# Altium PCB roach2.PcbDoc (part 3 of 39)
Units mil, origin at the board's own origin, x right, y up, seen from the top; angles counter-clockwise.
Board outline 12007.87 x 9606.3 mil, 16 copper layers (L1_TOP, L2_G, L3_S, L4_G, L5_S, L6_P, L7_G, L8_R, L9_R, L10_P, L11_P, L12_S, L13_P, L14_S, L15_G, L16_BOT), stack 81.651 mil thick; 1568 components, 1918 nets, 9251 pads, 6741 vias.
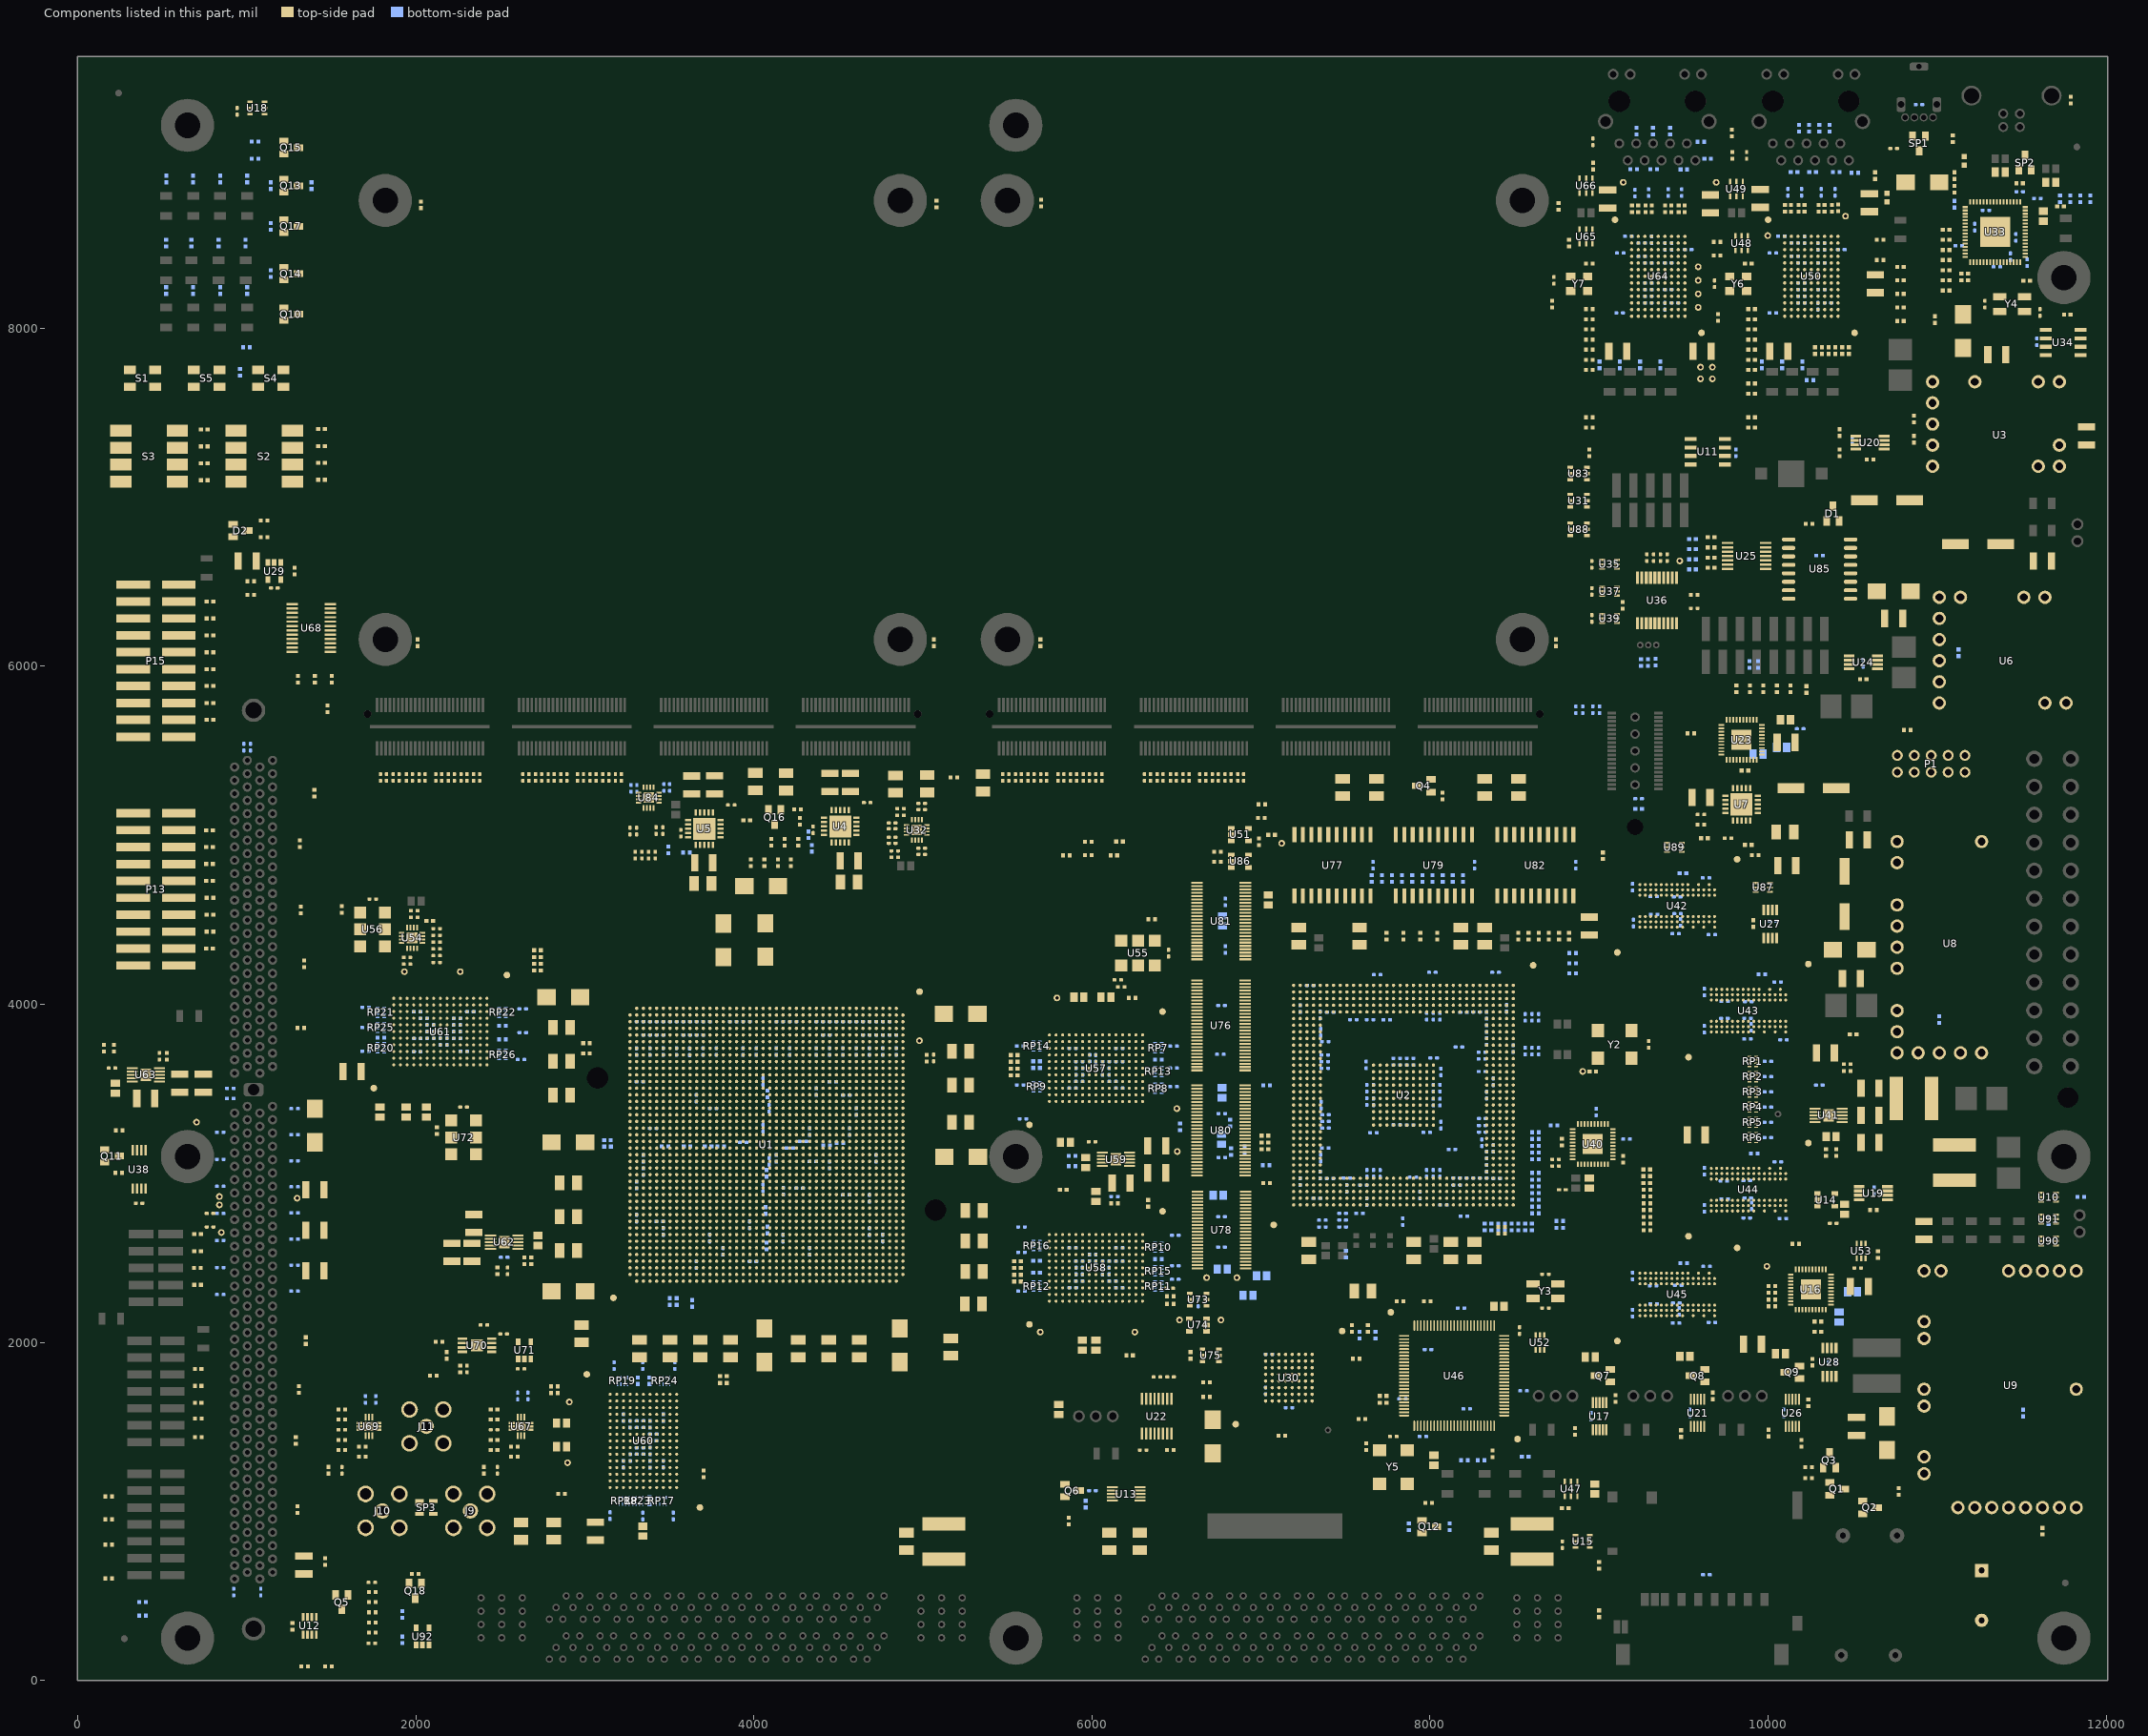
[diagram p17: the components of this part, seen from the top]

## Components (designator, comment, footprint, x,y, rotation, side; value= is the part's Value field where it differs from the comment) (continued)
R213 "49R9" RESC1005X40L 10377.99,8709.99 r270 top
R214 "49R9" RESC1005X40L 10413.99,8711.99 r270 top
R215 "3R3" RESC1005X40L 10397.99,7867.99 r90 top
R216 "3R3" RESC1005X40L 10277.99,7867.99 r90 top
R217 "3R3" RESC1005X40L 10357.99,7867.99 r90 top
R218 "3R3" RESC1005X40L 10317.99,7867.99 r90 top
R219 "49R9" RESC1005X40L 10632.99,8902.99 r90 top
R220 "3R3" RESC1005X40L 10437.99,7867.99 r90 top
R221 "3R3" RESC1005X40L 10477.99,7867.99 r90 top
R222 "3R3" RESC1005X40L 10662.99,8402.99 r180 top
R223 "0R" RESC1005X40L 8942.99,8382.99 r0 top
R224 "200R" RESC1005X40L 682.99,8882.99 r270 bottom
R225 "3K3" RESC1005X40L 1142.99,8602.99 r90 bottom
R226 "0R" RESC1005X40L 10986.19,8051 r270 top
R227 "49R9" RESC1005X40L 9787.99,9022.99 r90 top
R228 "100R" RESC1005X40L 2082.99,4492.99 r0 top
R229 "0R" RESC1005X40L 9902.99,7412.99 r0 top
R230 "3K3" RESC1005X40L 6742.99,4902.99 r180 top
R231 "0R" RESC1005X40L 9902.99,7472.99 r180 top
R232 "0R" RESC1005X40L 9902.99,8112.99 r180 top
R233 "0R" RESC1005X40L 9902.99,8052.99 r180 top
R234 "0R" RESC1005X40L 9902.99,7992.99 r180 top
R235 "10K" RESC1005X40L 9902.99,7672.99 r180 top
R236 "0R" RESC1005X40L 9902.99,7932.99 r180 top
R237 "49R9" RESC1005X40L 9962.99,7782.99 r270 bottom
R238 "1K" RESC1005X40L 8842.99,4182.99 r180 bottom
R239 "0R" RESC1005X40L 9902.99,7872.99 r180 top
R240 "10K" RESC1005X40L 9902.99,7612.99 r180 top
R241 "0R" RESC1005X40L 9902.99,7812.99 r180 top
R242 "0R" RESC1005X40L 9902.99,7752.99 r180 top
R243 "0R" RESC1005X40L 11770,8080 r180 top
R244 "49R9" RESC1005X40L 10082.99,7782.99 r270 bottom
R245 "4K99" RESC1005X40L 10662.99,8522.99 r180 top
R246 "0R" RESC1005X40L 9697.99,8430.99 r0 top
R247 "49R9" RESC1005X40L 10202.99,7782.99 r270 bottom
R248 "49R9" RESC1005X40L 10247.99,7692.99 r0 bottom
R250 "1K" RESC1005X40L 8842.99,4242.99 r180 bottom
R251 "1K" RESC1005X40L 8842.99,4302.99 r180 bottom
R252 "3K3" RESC1005X40L 10650,2520 r270 top
R253 "3K3" RESC1005X40L 4141.99,4837.99 r90 top
R254 "3K3" RESC1005X40L 3981.99,4837.99 r90 top
R255 "0R" RESC1005X40L 4218.99,4837.99 r90 top
R256 "3K3" RESC1005X40L 4061.99,4837.99 r270 top
R257 "3K3" RESC1005X40L 7062.99,5002.99 r0 top
R258 "3K3" RESC1005X40L 7002.99,5102.99 r0 top
R259 "3K3" RESC1005X40L 4182.99,4958.99 r90 top
R260 "3K3" RESC1005X40L 6520.99,3274.99 r90 bottom
R261 "3K3" RESC1005X40L 4262.99,4958.99 r90 top
R262 "0R" RESC1005X40L 7004.99,5182.99 r180 top
R263 "3K3" RESC1005X40L 4102.99,4958.99 r270 top
R264 "49R9" RESC1005X40L 3542.99,2241.99 r270 bottom
R265 "49R9" RESC1005X40L 3502.99,2241.99 r90 bottom
R266 "49R9" RESC1005X40L 3134.99,3157.99 r180 bottom
R267 "49R9" RESC1005X40L 3133.99,3195.99 r0 bottom
R268 "100R" RESC1005X40L 5022.09,3681.46 r90 top
R269 "3K3" RESC1005X40L 6742.99,4842.99 r180 top
R270 "0R" RESC1005X40L 11530,8280 r180 top
R271 "0R" RESC1005X40L 6352.99,4502.99 r0 top
R272 "49R9" RESC1005X40L 5672.99,3662.99 r180 bottom
R273 "0R" RESC1005X40L 1562.99,4561.99 r270 top
R274 "49R9" RESC1005X40L 6392.99,2492.99 r0 bottom
R275 "49R9" RESC1005X40L 5672.99,3622.99 r180 bottom
R276 "49R9" RESC1005X40L 5672.99,2482.99 r180 bottom
R277 "49R9" RESC1005X40L 5672.99,2412.99 r180 bottom
R278 "49R9" RESC1005X40L 3382.99,1062.99 r270 bottom
R279 "49R9" RESC1005X40L 1792.99,3802.99 r180 bottom
R280 "49R9" RESC1005X40L 3382.99,1772.99 r90 bottom
R281 "49R9" RESC1005X40L 2512.99,3792.99 r0 bottom
R282 "49R9" RESC1005X40L 3312.99,1772.99 r90 bottom
R283 "49R9" RESC1005X40L 2512.99,3872.99 r0 bottom
R284 "0R" RESC1005X40L 8722.99,8142.99 r270 top
R285 "3R3" RESC1005X40L 8767.99,2717.99 r0 bottom
R286 "3R3" RESC1005X40L 8767.99,2677.99 r0 bottom
R287 "3R3" RESC1005X40L 8732.99,3282.99 r0 bottom
R288 "3K3" RESC1005X40L 1049.49,9003.49 r180 bottom
R289 "3K3" RESC1005X40L 1049.49,9104.99 r180 bottom
R290 "0R" RESC1005X40L 2010,6138.74 r90 top
R291 "0R" RESC1005X40L 5065,6138.74 r90 top
R292 "0R" RESC1005X40L 5080,8735 r90 top
R293 "0R" RESC1005X40L 2030,8730 r90 top
R294 "0R" RESC1005X40L 5695,6138.74 r90 top
R295 "0R" RESC1005X40L 8745,6138.74 r90 top
R296 "0R" RESC1005X40L 5700,8740 r90 top
R297 "0R" RESC1005X40L 8760,8720 r90 top
R298 "3K3" RESC1005X40L 9000,395 r90 top
R299 "3K3" RESC1005X40L 9000,680 r270 top
R300 "0R" RESC1005X40L 1314,4950 r90 top
R301 "0R" RESC1005X40L 5540,3700 r180 top
R302 "0R" RESC1005X40L 5540,3660 r180 top
R303 "0R" RESC1005X40L 5540,3580 r180 top
R304 "0R" RESC1005X40L 5540,3620 r180 top
R305 "0R" RESC1005X40L 5560,2480 r180 top
R306 "0R" RESC1005X40L 5560,2440 r180 top
R307 "0R" RESC1005X40L 5560,2360 r180 top
R308 "0R" RESC1005X40L 5560,2400 r180 top
R309 "0R" RESC1005X40L 3820,1760 r0 top
R310 "0R" RESC1005X40L 3820,1800 r0 top
R311 "0R" RESC1005X40L 2820,1740 r180 top
R312 "0R" RESC1005X40L 2820,1700 r180 top
R313 "0R" RESC1005X40L 2720,4200 r0 top
R314 "0R" RESC1005X40L 2720,4240 r0 top
R315 "0R" RESC1005X40L 2720,4280 r0 top
R316 "0R" RESC1005X40L 2720,4320 r0 top
R317 "49R9" RESC1005X40L 3605,3160 r0 bottom
R318 "49R9" RESC1005X40L 3475,3160 r180 bottom
R319 "49R9" RESC1005X40L 4075,2570 r270 bottom
R320 "249R" RESC1005X40L 6237.99,4037.99 r0 top
R321 "249R" RESC1005X40L 6132.99,2822.99 r180 top
R322 "100R" RESC1005X40L 6332.99,2822.99 r270 top
R323 "10K" RESC1005X40L 5882.99,3102.99 r0 bottom
R324 "10K" RESC1005X40L 5882.99,3042.99 r0 bottom
R325 "49R9" RESC1005X40L 3635,2230 r270 bottom
R326 "49R9" RESC1005X40L 4080,2665 r90 bottom
R327 "49R9" RESC1005X40L 4070,2780 r270 bottom
R328 "49R9" RESC1005X40L 3805,3160 r0 bottom
R329 "49R9" RESC1005X40L 3730,3160 r180 bottom
R330 "49R9" RESC1005X40L 4075,3000 r90 bottom
R331 "49R9" RESC1005X40L 4430,3165 r180 bottom
R332 "49R9" RESC1005X40L 4510,3180 r0 bottom
R333 "49R9" RESC1005X40L 4080,3470 r90 bottom
R334 "0R" RESC1005X40L 1320,4558 r270 top
R335 "0R" RESC1005X40L 1340,4240 r90 top
R336 "0R" RESC1005X40L 1308,1722 r90 top
R337 "0R" RESC1005X40L 1290,1420 r90 top
R338 "0R" RESC1005X40L 1300,1010 r90 top
R339 "0R" RESC1005X40L 1350,2010 r270 top
R340 "0R" RESC1005X40L 1400,5250 r270 top
R341 "0R" RESC1005X40L 1320,3860 r0 top
R342 "3K3" RESC1005X40L 9334,6024 r270 bottom
R343 "3K3" RESC1005X40L 246,3254 r0 top
R344 "3K3" RESC1005X40L 9248,6022 r90 bottom
R345 "3K3" RESC1005X40L 9290,6022 r90 bottom
R346 "3K3" RESC1005X40L 960,7740 r90 bottom
R348 "10K" RESC1005X40L 1920,390 r90 bottom
R349 "1K15" RESC1005X40L 1920,240 r270 bottom
R371 "249R" RESC1005X40L 3702.99,1222.99 r270 top
R372 "249R" RESC1005X40L 2124.99,3251.99 r270 top
R373 "100R" RESC1005X40L 2482.99,2422.99 r270 top
R374 "10K" RESC1005X40L 2642.99,2482.99 r90 top
R375 "10K" RESC1005X40L 2682.99,2482.99 r90 top
R376 "3K3" RESC1005X40L 382.99,462.99 r180 bottom
R377 "3K3" RESC1005X40L 382.99,382.99 r180 bottom
R378 "0R" RESC1005X40L 1342.99,82.99 r0 top
R379 "0R" RESC1005X40L 1482.99,82.99 r0 top
R380 "10K" RESC1005X40L 214.8,3741.34 r90 top
R381 "100R" RESC1005X40L 527.99,3692.99 r270 top
R382 "10K" RESC1005X40L 154.8,3741.34 r90 top
R383 "49R9" RESC1005X40L 9194.99,8706.99 r270 top
R384 "49R9" RESC1005X40L 9230.99,8706.99 r270 top
R385 "49R9" RESC1005X40L 9274.99,8706.99 r270 top
R386 "49R9" RESC1005X40L 9310.99,8706.99 r270 top
R387 "49R9" RESC1005X40L 9390.99,8706.99 r270 top
R388 "49R9" RESC1005X40L 9426.99,8706.99 r270 top
R389 "49R9" RESC1005X40L 9470.99,8706.99 r270 top
R390 "49R9" RESC1005X40L 9506.99,8706.99 r270 top
R391 "49R9" RESC1005X40L 9784.99,9154.99 r90 top
R396 "49R9" RESC1005X40L 8964.99,8958.99 r90 top
R400 "0R" RESC1005X40L 8942.99,7412.99 r0 top
R402 "0R" RESC1005X40L 8942.99,7472.99 r180 top
R403 "0R" RESC1005X40L 8942.99,8112.99 r180 top
R404 "0R" RESC1005X40L 8942.99,8052.99 r180 top
R405 "0R" RESC1005X40L 8942.99,7992.99 r180 top
R406 "0R" RESC1005X40L 8942.99,7932.99 r180 top
R407 "49R9" RESC1005X40L 9002.99,7782.99 r270 bottom
R408 "0R" RESC1005X40L 8942.99,7872.99 r180 top
R409 "0R" RESC1005X40L 8942.99,7812.99 r180 top
R410 "0R" RESC1005X40L 8942.99,7752.99 r180 top
R412 "49R9" RESC1005X40L 9122.99,7782.99 r270 bottom
R413 "0R" RESC1005X40L 8822.99,8502.99 r270 top
R414 "4K99" RESC1005X40L 9697.99,8510.99 r180 top
R415 "49R9" RESC1005X40L 9242.99,7782.99 r270 bottom
R416 "49R9" RESC1005X40L 9362.99,7782.99 r270 bottom
R419 "10K" RESC1005X40L 2582.99,1382.99 r180 top
R420 "100R" RESC1005X40L 2462.99,1602.99 r0 top
R421 "10K" RESC1005X40L 2462.99,1422.99 r180 top
R422 "200R" RESC1005X40L 682.99,8222.99 r90 bottom
R423 "200R" RESC1005X40L 522.99,8222.99 r90 bottom
R424 "200R" RESC1005X40L 842.99,8222.99 r90 bottom
R425 "200R" RESC1005X40L 1002.99,8222.99 r90 bottom
R426 "0R" RESC1005X40L 2402.99,1242.99 r90 top
R427 "100R" RESC1005X40L 2462.99,1542.99 r180 top
R428 "10K" RESC1005X40L 2462.99,1362.99 r0 top
R429 "63K4" RESC1005X40L 2582.99,1322.99 r0 top
R430 "3K3" RESC1005X40L 1502.99,5922.99 r90 top
R431 "200R" RESC1005X40L 522.99,8502.99 r270 bottom
R432 "200R" RESC1005X40L 672.99,8502.99 r270 bottom
R433 "200R" RESC1005X40L 832.99,8502.99 r270 bottom
R434 "200R" RESC1005X40L 992.99,8502.99 r270 bottom
R435 "3K3" RESC1005X40L 1402.99,5922.99 r90 top
R436 "0R" RESC1005X40L 1302.99,5922.99 r270 top
R437 "249R" RESC1005X40L 8202.99,1302.99 r180 bottom
R438 "10K" RESC1005X40L 1682.99,1382.99 r180 top
R439 "100R" RESC1005X40L 1562.99,1602.99 r0 top
R440 "10K" RESC1005X40L 1562.99,1422.99 r180 top
R441 "0R" RESC1005X40L 1482.99,1242.99 r90 top
R442 "100R" RESC1005X40L 1562.99,1542.99 r180 top
R443 "10K" RESC1005X40L 1562.99,1362.99 r0 top
R444 "249R" RESC1005X40L 8562.99,1322.99 r180 bottom
R445 "63K4" RESC1005X40L 1682.99,1322.99 r0 top
R446 "3K3" RESC1005X40L 8115.43,909.57 r270 bottom
R447 "49R9" RESC1005X40L 2136.99,2003.99 r180 top
R448 "3K3" RESC1005X40L 7875.43,909.57 r90 bottom
R449 "249R" RESC1005X40L 8302.99,1302.99 r0 bottom
R450 "10K" RESC1005X40L 2182.99,1922.99 r90 top
R451 "3K3" RESC1005X40L 1382.99,8842.99 r270 bottom
R452 "10K" RESC1005X40L 2262.99,1842.99 r90 top
R453 "200R" RESC1005X40L 182.99,1087.99 r0 top
R454 "200R" RESC1005X40L 182.99,952.99 r0 top
R455 "200R" RESC1005X40L 182.99,602.99 r180 top
R456 "200R" RESC1005X40L 182.99,802.99 r0 top
R457 "200R" RESC1005X40L 1002.99,8882.99 r270 bottom
R458 "3K3" RESC1005X40L 1142.99,8842.99 r90 bottom
R460 "3K3" RESC1005X40L 1142.99,8322.99 r90 bottom
R462 "0R" RESC1005X40L 10782.99,8362.99 r180 top
R463 "0R" RESC1005X40L 6462.99,2272.99 r180 top
R464 "0R" RESC1005X40L 10782.99,8282.99 r180 top
R465 "0R" RESC1005X40L 10782.99,8122.99 r180 top
R466 "0R" RESC1005X40L 10782.99,8042.99 r180 top
R467 "0R" RESC1005X40L 10782.99,8202.99 r0 top
R468 "49R9" RESC1005X40L 10226.99,5862.99 r90 top
R470 "0R" RESC1005X40L 6462.99,2227.99 r180 top
R471 "0R" RESC1005X40L 10132.28,5866.46 r90 top
R472 "0R" RESC1005X40L 10052.28,5866.46 r90 top
R473 "0R" RESC1005X40L 9972.28,5866.46 r270 top
R474 "0R" RESC1005X40L 9892.28,5866.46 r90 top
R475 "0R" RESC1005X40L 9812.28,5866.46 r90 top
R476 "3K3" RESC1005X40L 6582.99,1922.99 r90 top
R477 "0R" RESC1005X40L 9022.99,4878.99 r270 top
R478 "0R" RESC1005X40L 5182.99,5342.99 r180 top
R479 "0R" RESC1005X40L 7122.99,1447.99 r0 top
R480 "0R" RESC1005X40L 7822.99,2242.99 r180 top
R481 "0R" RESC1005X40L 5830.95,2903.06 r0 top
R482 "0R" RESC1005X40L 6222.99,1922.99 r180 top
R483 "0R" RESC1005X40L 2862.99,1102.99 r180 top
R484 "0R" RESC1005X40L 1477.99,5747.99 r90 top
R485 "0R" RESC1005X40L 9702.99,8062.99 r270 top
R486 "0R" RESC1005X40L 8942.99,7262.99 r270 top
R487 "0R" RESC1005X40L 6677.99,1762.99 r180 top
R488 "0R" RESC1005X40L 9622.99,4982.99 r0 top
R489 "0R" RESC1005X40L 10162.99,2582.99 r0 top
R490 "0R" RESC1005X40L 6677.99,1677.99 r180 top
R491 "1K" RESC1005X40L 11102.99,8822.99 r90 top
R492 "10K" RESC1005X40L 11102.99,8732.99 r90 bottom
R493 "10K" RESC1005X40L 8072.99,5232.99 r90 top
R494 "10K" RESC1005X40L 4257.99,5152.99 r180 top
R495 "0R" RESC1005X40L 9882.99,8382.99 r0 top
RP1 "49R9" RESCAV50P100X200X45-8L 9908.99,3661.99 r0 top
RP2 "49R9" RESCAV50P100X200X45-8L 9908.99,3571.99 r0 top
RP3 "49R9" RESCAV50P100X200X45-8L 9908.99,3481.99 r0 top
RP4 "49R9" RESCAV50P100X200X45-8L 9908.99,3391.99 r0 top
RP5 "49R9" RESCAV50P100X200X45-8L 9908.99,3301.99 r0 top
RP6 "49R9" RESCAV50P100X200X45-8L 9908.99,3211.99 r0 top
RP7 "49R9" RESCAV50P100X200X45-8L 6392.99,3742.99 r0 bottom
RP8 "49R9" RESCAV50P100X200X45-8L 6392.99,3502.99 r0 bottom
RP9 "49R9" RESCAV50P100X200X45-8L 5672.99,3512.99 r180 bottom
RP10 "49R9" RESCAV50P100X200X45-8L 6392.99,2562.99 r0 bottom
RP11 "49R9" RESCAV50P100X200X45-8L 6392.99,2332.99 r0 bottom
RP12 "49R9" RESCAV50P100X200X45-8L 5672.99,2332.99 r180 bottom
RP13 "49R9" RESCAV50P100X200X45-8L 6392.99,3602.99 r0 bottom
RP14 "49R9" RESCAV50P100X200X45-8L 5672.99,3752.99 r180 bottom
RP15 "49R9" RESCAV50P100X200X45-8L 6392.99,2422.99 r0 bottom
RP16 "49R9" RESCAV50P100X200X45-8L 5672.99,2572.99 r180 bottom
RP17 "49R9" RESCAV50P100X200X45-8L 3452.99,1062.99 r270 bottom
RP18 "49R9" RESCAV50P100X200X45-8L 3232.99,1062.99 r270 bottom
RP19 "49R9" RESCAV50P100X200X45-8L 3222.99,1772.99 r90 bottom
RP20 "49R9" RESCAV50P100X200X45-8L 1792.99,3742.99 r180 bottom
RP21 "49R9" RESCAV50P100X200X45-8L 1792.99,3952.99 r180 bottom
RP22 "49R9" RESCAV50P100X200X45-8L 2512.99,3952.99 r0 bottom
RP23 "49R9" RESCAV50P100X200X45-8L 3312.99,1062.99 r270 bottom
RP24 "49R9" RESCAV50P100X200X45-8L 3472.99,1772.99 r90 bottom
RP25 "49R9" RESCAV50P100X200X45-8L 1792.99,3862.99 r180 bottom
RP26 "49R9" RESCAV50P100X200X45-8L 2512.99,3702.99 r0 bottom
S1 "7914J-1-000-E" 7914J-X-XXX-X 382.99,7702.99 r90 top
S2 "A6S-4101-H" A6S-4101-H 1102.99,7242.99 r90 top
S3 "A6S-4101-H" A6S-4101-H 422.99,7242.99 r90 top
S4 "7914J-1-000-E" 7914J-X-XXX-X 1142.99,7702.99 r90 top
S5 "7914J-1-000-E" 7914J-X-XXX-X 762.99,7702.99 r90 top
SP1 "PGB102ST23WR" SOT95P245X110-3N 10892.99,9092.99 r270 top
SP2 "PGB102ST23WR" SOT95P245X110-3N 11520,8980 r90 top
SP3 "PRTR5V0U2AX" SOT192P237X120-4N 2062.99,1022.99 r0 top
SP4 "PGB1010402" PGB1010402 712.99,1550 r0 top
SP5 "PGB1010402" PGB1010402 712.99,1438.92 r0 top
SP6 "PGB1010402" PGB1010402 712.99,1842.99 r180 top
SP7 "PGB1010402" PGB1010402 712.99,1742.99 r180 top
SP8 "PGB1010402" PGB1010402 712.99,1642.99 r180 top
SP9 "PGB1010402" PGB1010402 10512.99,8919.99 r180 bottom
SP10 "PGB1010402" PGB1010402 10362.99,9182.99 r270 bottom
SP11 "PGB1010402" PGB1010402 10402.99,8922.99 r180 bottom
SP12 "PGB1010402" PGB1010402 10302.99,9182.99 r270 bottom
SP13 "PGB1010402" PGB1010402 10262.99,8922.99 r0 bottom
SP14 "PGB1010402" PGB1010402 10242.99,9182.99 r270 bottom
SP15 "PGB1010402" PGB1010402 10152.99,8922.99 r0 bottom
SP16 "PGB1010402" PGB1010402 10182.99,9182.99 r270 bottom
SP17 "PGB1010402" PGB1010402 9642.99,9002.99 r180 bottom
SP18 "PGB1010402" PGB1010402 9602.99,9102.99 r180 bottom
SP19 "PGB1010402" PGB1010402 9501.99,8938.99 r180 bottom
SP20 "PGB1010402" PGB1010402 9419.99,9165.99 r270 bottom
SP21 "PGB1010402" PGB1010402 9322.99,8940.99 r0 bottom
SP22 "PGB1010402" PGB1010402 9318.99,9165.99 r270 bottom
SP23 "PGB1010402" PGB1010402 9203.99,8939.99 r0 bottom
SP24 "PGB1010402" PGB1010402 9220.99,9165.99 r270 bottom
SP25 "PGB1010402" PGB1010402 780,4730 r180 top
SP26 "PGB1010402" PGB1010402 780,4830 r180 top
SP27 "PGB1010402" PGB1010402 780,4930 r180 top
SP28 "PGB1010402" PGB1010402 780,5030 r180 top
SP29 "PGB1010402" PGB1010402 782.99,5682.99 r180 top
SP30 "PGB1010402" PGB1010402 782.99,5782.99 r180 top
SP31 "PGB1010402" PGB1010402 782.99,5882.99 r180 top
SP32 "PGB1010402" PGB1010402 782.99,5982.99 r180 top
SP33 "PGB1010402" PGB1010402 782.99,6082.99 r180 top
SP34 "PGB1010402" PGB1010402 782.99,6182.99 r180 top
SP35 "PGB1010402" PGB1010402 782.99,6282.99 r180 top
SP36 "PGB1010402" PGB1010402 782.99,6382.99 r180 top
SP37 "PGB1010402" PGB1010402 7992.99,1050.99 r180 top
SP38 "PGB1010402" PGB1010402 709.99,2339.99 r180 top
SP39 "PGB1010402" PGB1010402 708.99,2439.99 r180 top
SP40 "PGB1010402" PGB1010402 710,2540 r180 top
SP41 "PGB1010402" PGB1010402 710,2640 r180 top
SP42 "PGB1010402" PGB1010402 2102.99,1802.99 r0 top
SP43 "PGB1010402" PGB1010402 780,4330 r180 top
SP44 "PGB1010402" PGB1010402 783,4430 r180 top
SP45 "PGB1010402" PGB1010402 783,4530 r180 top
SP46 "PGB1010402" PGB1010402 783,4630 r180 top
TP1 "Testpoint" TP100 4980,3785 r90 top
TP2 "Testpoint" TP100 9993,2450 r90 top
TP3 "Testpoint" TP100 9670,7700 r90 top
TP4 "Testpoint" TP100 9600,7700 r90 top
TP5 "Testpoint" TP100 9670,7770 r90 top
TP6 "Testpoint" TP100 8902.99,3602.99 r90 top
TP7 "Testpoint" TP100 9600,7770 r90 top
TP10 "Testpoint" TP100 10457.99,8662.99 r90 top
TP11 "Testpoint" TP100 9997.99,8547.99 r90 top
TP12 "Testpoint" TP100 6502.99,3382.99 r90 top
TP13 "Testpoint" TP100 6253.99,2060.99 r90 top
TP14 "Testpoint" TP100 5792.99,4037.99 r90 top
TP15 "Testpoint" TP100 5693.99,2060.99 r90 top
TP18 "Testpoint" TP100 2897.99,1287.99 r90 top
TP19 "Testpoint" TP100 1932.99,4192.99 r90 top
TP20 "Testpoint" TP100 2907.99,1647.99 r90 top
TP21 "Testpoint" TP100 2262.99,4192.99 r90 top
TP24 "Testpoint" TP100 837.99,2862.99 r90 top
TP25 "Testpoint" TP100 837.99,2812.99 r90 top
TP26 "Testpoint" TP100 850,2650 r90 top
TP27 "Testpoint" TP100 702.99,3302.99 r90 top
TP28 "Testpoint" TP100 6762.99,2132.99 r90 top
TP29 "Testpoint" TP100 6857.99,2382.99 r90 top
TP30 "Testpoint" TP100 1297.99,2852.99 r90 top
TP31 "Testpoint" TP100 9586.61,8362.99 r90 top
TP32 "Testpoint" TP100 9586.61,8282.99 r90 top
TP33 "Testpoint" TP100 9586.61,8202.99 r90 top
TP34 "Testpoint" TP100 9586.61,8122.99 r90 top
TP37 "Testpoint" TP100 9692.99,8862.99 r90 top
TP38 "Testpoint" TP100 9142.99,8862.99 r90 top
TP39 "Testpoint" TP100 9477.99,6622.99 r90 top
TP40 "Testpoint" TP100 7122.99,4952.99 r90 top
TP41 "Testpoint" TP100 6517.99,2132.99 r90 top
TP42 "Testpoint" TP100 6677.99,2382.99 r90 top
TP43 "Testpoint" TP100 6504.99,3128.99 r90 top
U1 "XC6VSX475T-1FFG1759C" FFG1759 4074.8,3169.29 r270 top locked
U2 "PPC440EPX-NUA667T" TE-PBGA680 7842.99,3462.99 r90 top locked
U3 "PTH08T240WAD" DIP_Module_11PIN-A 11802.99,7102.99 r270 top
U4 "TPS74401" VQFN20 4510.99,5052.99 r180 top
U5 "TPS74401" VQFN20 3706.99,5038.99 r180 top
U6 "PTH08T220WAD" DIP_Module_11PIN 11842.99,5702.99 r270 top
U7 "TPS74401" VQFN20 9842.99,5182.99 r270 top
U8 "PTH08T210WAD" DIP_Module_14PIN 11342.99,5042.99 r0 top
U9 "PTH08T250WAD" DIP_Module_22PIN 11902.99,2502.99 r0 top locked
U10 "PI5A3157ZAEX" SC70-6 11660,2860 r180 top
U11 "DS1307" SOIC150-8_N 9643,7269 r180 top
U12 "LTC2954-1" TSOT-23-8 1372.99,322.99 r90 top
U13 "MAX6650" 10L_uMAX 6202.99,1102.99 r180 top
U14 "LP2985" SOT23-5 10342.99,2842.99 r0 top
U15 "AD7414ARTZ-1" SOT23-6#1 8902.99,822.99 r0 top
U16 "MAX16071" TQFN-40 10252.99,2312.99 r270 top locked
U17 "MAX6650" 10L_uMAX 9002.99,1562.99 r90 top locked
U18 "AD7414ARTZ-1" SOT23-6#1 1062.99,9302.99 r0 top
U19 "INA333" PW08#1 10622.99,2882.99 r180 top
U20 "INA333" PW08#1 10602.99,7322.99 r180 top locked
U21 "MAX6650" 10L_uMAX 9582.99,1582.99 r90 top
U22 "MAX1805" QSOP-16 6382.99,1562.99 r270 top
U23 "MAX16071" TQFN-40 9842.99,5564.99 r270 top locked
U24 "INA333" PW08#1 10562.99,6022.99 r180 top
U25 "SN74LV21A" PW014 9872.99,6652.99 r0 top locked
U26 "MAX6650" 10L_uMAX 10142.99,1582.99 r90 top
U27 "INA333" PW08#1 10012.99,4474.8 r90 top
U28 "INA333" PW08#1 10362.99,1882.99 r90 top locked
U29 "MIC2774N-29YM5" SOT23-5 1162.99,6562.99 r270 top
U30 "S29GL01GP11FFI010" LAA064 7165.35,1791.34 r270 top
U31 "SN74AVCH1T45" SOT23-6#2 8880,6980 r0 top
U32 "SY89832UMI" MLF-16 4963.99,5031.99 r0 top
U33 "FT4232HL" QFN64 11342.99,8568.99 r270 top locked
U34 "93LC56B" SOIC150-8_N 11745,7915 r180 top
U35 "PI5A3157ZAEX" SC70-6 9062.99,6602.99 r0 top
U36 "ICL3225EIAZ" SSOP20_M 9342.99,6388.99 r270 top
U37 "PI5A3157ZAEX" SC70-6 9062.99,6442.99 r0 top
U38 "AT24HC04B" TSSOP-8A2 362.99,3022.99 r90 top
U39 "PI5A3157ZAEX" SC70-6 9062.99,6282.99 r0 top
U40 "CDCU877" TQFN-40 8962.99,3172.99 r0 top
U41 "TPS51100DGQ" MSOP_10-N 10357.99,3342.99 r180 top
U42 "MT47H128M16" DDR2_BGA84 9462.6,4582.68 r90 top locked
U43 "MT47H128M16" DDR2_BGA84 9883.86,3962.6 r90 top locked
U44 "MT47H128M16" DDR2_BGA84 9883.86,2903.54 r90 top locked
U45 "MT47H128M16" DDR2_BGA84 9462.6,2283.46 r90 top locked
U46 "XC2C256-5VQG100C" VQG100_L 8142.99,1802.99 r0 top locked
U47 "TS5A3159A" SOT23-6#1 8834.45,1132.99 r90 top
U48 "SN74LVC1G10" SOT23-6#1 9842.99,8502.99 r90 top
U49 "SN74LVC1G10" SOT23-6#1 9812.99,8822.99 r270 top
U50 "88E1111-BGA117" BGA117C100P13X9_1400X1000X154 10255.91,8307.09 r180 top locked
U51 "NC7S08M5X" SOT23-5 6875.98,5003.94 r0 top
U52 "PI5A3157ZAEX" SC70-6 8650,1999.84 r270 top
U53 "PI5A3157ZAEX" SC70-6 10550,2540 r270 top
U54 "SY89832UMI" MLF-16 1977.99,4392.99 r180 top
U55 "CCLD-023-25-125.000" CCLD-023X-XX-XXX_XXX 6272.99,4302.99 r180 top
U56 "CCLD-023-25-156.250" CCLD-023X-XX-XXX_XXX 1744.99,4442.99 r270 top
U57 "CY7C2565KV18" FBGA_165-Ball 6023.94,3622.05 r90 top locked
U58 "CY7C2565KV18" FBGA_165-Ball 6023.94,2440.94 r90 top locked
U59 "TPS51100DGQ" MSOP_10-N 6142.99,3082.99 r180 top
U60 "CY7C2565KV18" FBGA_165-Ball 3346.46,1417.01 r0 top
U61 "CY7C2565KV18" FBGA_165-Ball 2145.35,3838.58 r270 top
U62 "TPS51100DGQ" MSOP_10-N 2522.99,2592.99 r0 top
U63 "TPS51100DGQ" MSOP_10-N 402.99,3582.99 r180 top
U64 "88E1111-BGA117" BGA117C100P13X9_1400X1000X154 9350.39,8307.09 r180 top locked
U65 "SN74LVC1G10" SOT23-6#1 8922.99,8542.99 r90 top
U66 "SN74LVC1G10" SOT23-6#1 8922.99,8842.99 r90 top
U67 "ADCMP605BCPZ" LFCSP_VQ-12 2622.99,1502.99 r270 top
U68 "SN74AVC8T245" PW024 1381.99,6225.99 r0 top
U69 "ADCMP605BCPZ" LFCSP_VQ-12 1722.99,1502.99 r270 top
U70 "THS3061" PW08#2 2362.99,1982.99 r180 top
U71 "SN65LVDT2" SOT23-5 2642.99,1952.99 r90 top
U72 "CCLD-023-25-100.000" CCLD-023X-XX-XXX_XXX 2282.99,3212.99 r270 top locked
U73 "SN74AVCH1T45" SOT23-6#2 6627.99,2252.99 r180 top
U74 "SN74AUC1G04" SOT23-5 6627.99,2102.99 r180 top
U75 "SN74AVCH1T45" SOT23-6#2 6702.99,1922.99 r0 top
U76 "SN74AVC20T245" PW056 6763.55,3874.95 r0 top locked
U77 "SN74LVC244A" PW020 7422.99,4822.99 r270 top locked
U78 "SN74AVC16T245" PW048 6766.65,2664.24 r0 top locked
U79 "SN74LVC244A" PW020 8022.99,4822.99 r270 top locked
U80 "SN74AVC20T245" PW056 6763.55,3254.01 r0 top locked
U81 "SN74AVC16T245" PW048 6764.45,4492.92 r0 top locked
U82 "SN74LVC244A" PW020 8622.99,4822.99 r270 top locked
U83 "SN74AVCH1T45" SOT23-6#2 8880,7140 r0 top
U84 "SY89832UMI" MLF-16 3377.99,5222.99 r90 top
U85 "DS32kHz" SOIC127P1030X267-16N 10304.65,6574.8 r0 top
U86 "NC7S08M5X" SOT23-5 6875.98,4846.46 r0 top
U87 "PI5A3157ZAEX" SC70-6 9969,4691 r180 top
U88 "SN74AVCH1T45" SOT23-6#2 8880,6810 r0 top
U89 "PI5A3157ZAEX" SC70-6 9446.28,4928 r180 top
U90 "PI5A3157ZAEX" SC70-6 11660,2600 r180 top
U91 "PI5A3157ZAEX" SC70-6 11660,2730 r180 top
U92 "MIC2774N-29YM5" SOT23-5 2040,260 r90 top
VR1 "V5.5MLA0603" VAR_V5_5MLA0603 11160,8990 r270 top
VR2 "V5.5MLA0603" VAR_V5_5MLA0603 10702.99,8772.99 r270 top
Y2 "CB3LV-3C-33M3333" CB3X-X-XMX 9092.99,3762.99 r180 top
Y3 "405XXXXXXMXXXXX" 405XXXXXXMXXXXX 8682.99,2302.99 r180 top
Y4 "405C35D12M00000" 405XXXXXXMXXXXX 11442.99,8142.99 r0 top
Y5 "CB3LV-3C-33M3333" CB3X-X-XMX 7782.99,1262.99 r90 top
Y6 "636N5C025M00000" 636XXXXXXMXXXXX 9822.99,8262.99 r0 top
Y7 "636N5C025M00000" 636XXXXXXMXXXXX 8882.99,8262.99 r0 top locked

## Footprints (in the part's own frame and the unit in brackets; to place one, negate y for a bottom-side part, rotate by r counter-clockwise, add the part's x,y. Pads: shape width x height; smd on the part's side, far side on the other; paste and mask are expansions set on the pad)
3M_8510-4500PL [mm] "3M, Female, 1A header"
  round 1.635 hole 1: 1(5.08,-1.27) 2(5.08,1.27) 3(2.54,-1.27) 4(2.54,1.27) 5(0,-1.27) 6(0,1.27) 7(-2.54,-1.27) 8(-2.54,1.27) 9(-5.08,-1.27) 10(-5.08,1.27)
  silkscreen extent -8.89,-4.7 8.89,3.81, body extent -8.64,-4.03 8.58,3.02, height 10.99
3M_N2520-6V0C-RB-WE [mm] "3m, 2.56mm pitch, Shrouded, 10x2 Connector"
  rect 1.27x5.08 smd: 1(-11.43,-3.43) 2(-11.43,3.43) 3(-8.89,-3.43) 4(-8.89,3.43) 5(-6.35,-3.43) 6(-6.35,3.43) 7(-3.81,-3.43) 8(-3.81,3.43) 9(-1.27,-3.43) 10(-1.27,3.43) 11(1.27,-3.43) 12(1.27,3.43) 13(3.81,-3.43) 14(3.81,3.43) 15(6.35,-3.43) 16(6.35,3.43) 17(8.91,-3.43) 18(8.91,3.43) 19(11.43,-3.43) 20(11.43,3.43)
  silkscreen extent -16.76,-6.86 16.76,5.97, body extent -16.38,-5.59 16.33,5.59, height 10.2
10L_uMAX [mm]
  rect 1.65x0.3 smd: 1(-2.05,1) 2(-2.05,0.5) 3(-2.05,0) 4(-2.05,-0.5) 5(-2.05,-1) 6(2.05,-1) 7(2.05,-0.5) 8(2.05,0) 9(2.05,0.5) 10(2.05,1)
  silkscreen extent -2.18,-1.5 0.82,1.82, body extent -1.53,-1.53 1.52,1.53, height 1.1
405XXXXXXMXXXXX [mm] "CTS Crystal Unit"
  rect 2x1.1 smd: 1(-1.85,-1.1) 2(1.85,-1.1) 3(1.85,1.1) 4(-1.85,1.1)
  silkscreen extent -3.93,-2.66 3.18,1.91, body extent -2.41,-1.52 2.41,1.52, height 1.05
636XXXXXXMXXXXX [mm] "CTS 636 Series clock oscillator"
  rect 1.4x1.2 smd: 1(-1.27,-1.1) 2(1.27,-1.1) 3(1.27,1.1) 4(-1.27,1.1)
  silkscreen extent -3.17,-2.66 2.54,2.03, body extent -2.29,-1.91 2.29,1.91, height 1.1
7914J-X-XXX-X [mm] "Surface mount, Sealed key switch"
  rect 1.27x1.79 smd: 1(-1.27,-1.905) 2(1.27,-1.905) 3(-1.27,1.905) 4(1.27,1.905)
  silkscreen extent -3.05,-4.06 2.92,3.3, body extent -2.54,-2.54 2.54,2.54, height 4.19
A6S-4101-H [mm] "4-Element, Surface mount, DIP Switch"
  rect 1.78x3.175 smd: 1(-3.81,-4.25) 2(-1.28,-4.25) 3(1.28,-4.25) 4(3.81,-4.25) 5(3.81,4.25) 6(1.28,4.25) 7(-1.28,4.25) 8(-3.81,4.25)
  silkscreen extent -7.27,-4.07 6.6,3.3, body extent -6.22,-3.1 6.2,3.07, height 3.8
AMPHENOL_132134 [mm] "Amphenol, Vertical PCB mount, SMA connector"
  round 2.3 hole 1.5: 1(0,0)
  round 2.5 hole 1.7: 2(2.54,2.54) 3(2.54,-2.54) 4(-2.54,-2.54) 5(-2.54,2.54)
  silkscreen extent -4.32,-4.32 4.32,4.32, body extent -3.17,-3.25 3.17,3.1, height 10
BGA117C100P13X9_1400X1000X154 [mm] "BGA, 117-Leads, Body 14.0x10.0mm,  Pitch 1.00mm"
  round 0.5 smd: A1(-4,6) A2(-3,6) A3(-2,6) A4(-1,6) A5(0,6) A6(1,6) A7(2,6) A8(3,6) A9(4,6) B1(-4,5) B2(-3,5) B3(-2,5) B4(-1,5) B5(0,5) B6(1,5) B7(2,5) B8(3,5) B9(4,5) C1(-4,4) C2(-3,4) C3(-2,4) C4(-1,4) C5(0,4) C6(1,4) C7(2,4) C8(3,4) C9(4,4) D1(-4,3) D2(-3,3) D3(-2,3) D4(-1,3) D5(0,3) D6(1,3) D7(2,3) D8(3,3) D9(4,3) E1(-4,2) E2(-3,2) E3(-2,2) E4(-1,2) E5(0,2) E6(1,2) E7(2,2) E8(3,2) E9(4,2) F1(-4,1) F2(-3,1) F3(-2,1) F4(-1,1) F5(0,1) F6(1,1) F7(2,1) F8(3,1) F9(4,1) G1(-4,0) G2(-3,0) G3(-2,0) G4(-1,0) G5(0,0) G6(1,0) G7(2,0) G8(3,0) G9(4,0) H1(-4,-1) H2(-3,-1) H3(-2,-1) H4(-1,-1) H5(0,-1) H6(1,-1) H7(2,-1) H8(3,-1) H9(4,-1) J1(-4,-2) J2(-3,-2) J3(-2,-2) J4(-1,-2) J5(0,-2) J6(1,-2) J7(2,-2) J8(3,-2) J9(4,-2) K1(-4,-3) K2(-3,-3) K3(-2,-3) K4(-1,-3) K5(0,-3) K6(1,-3) K7(2,-3) K8(3,-3) K9(4,-3) L1(-4,-4) L2(-3,-4) L3(-2,-4) L4(-1,-4) L5(0,-4) L6(1,-4) L7(2,-4) L8(3,-4) L9(4,-4) M1(-4,-5) M2(-3,-5) M3(-2,-5) M4(-1,-5) M5(0,-5) M6(1,-5) M7(2,-5) M8(3,-5) M9(4,-5) N1(-4,-6) N2(-3,-6) N3(-2,-6) N4(-1,-6) N5(0,-6) N6(1,-6) N7(2,-6) N8(3,-6) N9(4,-6)
  round 1 smd paste-1 mask+0.5: FU1(-6.5,8.5) FU2(6.5,-8.5)
  silkscreen extent -5.77,-7 5,7, body extent -5,-7 5,7, height 1.54
CAPC1005X55L [mm] "Chip Capacitor, Body 1.0x0.5mm, IPC High Density"
  rrect50% 0.6x0.5 smd: 1(-0.5,0) 2(0.5,0)
  body extent -0.55,-0.3 0.55,0.3, height 0.6
CAPC1005X60L [mm] "Chip Capacitor, Body 1.0x0.5mm, IPC High Density"
  rrect50% 0.6x0.5 smd: 1(-0.5,0) 2(0.5,0)
  body extent -0.55,-0.3 0.55,0.3, height 0.6
CAPC2012X127L [mm] "Chip Capacitor, Body 2.0x1.3mm, IPC High Density"
  rect 1.1x1.4 smd: 1(-0.75,0) 2(0.75,0)
  body extent -1.1,-0.72 1.1,0.72, height 1.1
CAPC3225X200L [mm] "Chip Capacitor, Body 3.2x2.5mm, IPC High Density"
  rect 1.1x2.6 smd: 1(-1.35,0) 2(1.35,0)
  body extent -1.7,-1.35 1.7,1.35, height 1.35
CAPC3225X270L [mm] "Chip Capacitor, Body 3.2x2.5mm, IPC High Density"
  rect 1.1x2.6 smd: 1(-1.35,0) 2(1.35,0)
  body extent -1.7,-1.35 1.7,1.35, height 1.35
CAPMP3528X120L [mm] "Molded Capacitor, 2-Leads, Body 3.5x2.8mm, IPC High Density"
  rect 1.45x2.2 smd: 1(-1.3,0) 2(1.3,0)
  silkscreen extent -2.68,-1.5 1.9,1.77, body extent -1.85,-1.45 1.85,1.45, height 1.2
CAPMP3528X210L [mm] "Molded Capacitor, 2-Leads, Body 3.5x2.8mm, IPC High Density"
  rect 1.45x2.2 smd: 1(-1.3,0) 2(1.3,0)
  silkscreen extent -2.67,-1.5 1.9,1.77, body extent -1.85,-1.45 1.85,1.45, height 2.1
CAPMP7263X380L [mm]
  rect 2x6.45 smd: 1(-2.65,0) 2(2.65,0)
  silkscreen extent -3.95,-3.25 1.45,3.25, body extent -3.6,-3.25 3.6,3.25, height 3.5
CAPMP7343X280L [mm] "Molded Capacitor, 2-Leads, Body 7.3x4.3mm, IPC High Density"
  rect 2.75x2.4 smd: 1(-2.525,0) 2(2.525,0)
  silkscreen extent -4.47,-2.2 3.7,2.2, body extent -3.65,-2.15 3.65,2.15, height 4.3
CAPMP7343X430L [mm] "Molded Capacitor, 2-Leads, Body 7.3x4.3mm, IPC High Density"
  rect 2.75x2.4 smd: 1(-2.525,0) 2(2.525,0)
  silkscreen extent -4.47,-2.2 3.7,2.2, body extent -3.65,-2.15 3.65,2.15, height 4.3
CAPPRD750W80D1600H1500P [mm] "Capacitor, Electrolytic, Radial; Body 16 x 15 mm (Dia.xH typ); Pin Spacing 7.5 mm (typ)"
  rect 2x2 hole 0.9: 1(-3.75,0)
  round 2 hole 0.9: 2(3.75,0)
  silkscreen extent -8.25,-8.25 8.25,8.25, body extent -8,-7.87 7.94,8.09, height 15.5
CASPER_LOGO [mil]
  silkscreen extent -175,-188 151,207, body extent -180,-195 155,210, height 1
CB3X-X-XMX [mm] "CTS CB3 Series clock oscillator"
  rect 1.8x2 smd: 1(-2.54,-2.1) 2(2.54,-2.1) 3(2.54,2.1) 4(-2.54,2.1)
  silkscreen extent -4.57,-3.93 4.06,3.43, body extent -3.68,-2.67 3.68,2.67, height 1.7
CCLD-023X-XX-XXX_XXX [mm] "Crystek CCLD-023 Series Clock Oscillators"
  rect 1.8x1.8 smd: 1(-2.54,-1.875) 2(0,-1.875) 3(2.54,-1.875) 4(2.54,1.875) 5(0,1.875) 6(-2.54,1.875)
  silkscreen extent -4.44,-3.55 3.94,3.05, body extent -3.56,-2.54 3.56,2.54, height 1.8
DDR2_BGA84 [mm] "84-Lead DDR2 BGA, Body 14.0x11.5mm,  Pitch 0.80mm"
  round 0.45 smd: A1(-3.2,5.6) A2(-2.4,5.6) A3(-1.6,5.6) A7(1.6,5.6) A8(2.4,5.6) A9(3.2,5.6) B1(-3.2,4.8) B2(-2.4,4.8) B3(-1.6,4.8) B7(1.6,4.8) B8(2.4,4.8) B9(3.2,4.8) C1(-3.2,4) C2(-2.4,4) C3(-1.6,4) C7(1.6,4) C8(2.4,4) C9(3.2,4) D1(-3.2,3.2) D2(-2.4,3.2) D3(-1.6,3.2) D7(1.6,3.2) D8(2.4,3.2) D9(3.2,3.2) E1(-3.2,2.4) E2(-2.4,2.4) E3(-1.6,2.4) E7(1.6,2.4) E8(2.4,2.4) E9(3.2,2.4) F1(-3.2,1.6) F2(-2.4,1.6) F3(-1.6,1.6) F7(1.6,1.6) F8(2.4,1.6) F9(3.2,1.6) G1(-3.2,0.8) G2(-2.4,0.8) G3(-1.6,0.8) G7(1.6,0.8) G8(2.4,0.8) G9(3.2,0.8) H1(-3.2,0) H2(-2.4,0) H3(-1.6,0) H7(1.6,0) H8(2.4,0) H9(3.2,0) J1(-3.2,-0.8) J2(-2.4,-0.8) J3(-1.6,-0.8) J7(1.6,-0.8) J8(2.4,-0.8) J9(3.2,-0.8) K2(-2.4,-1.6) K3(-1.6,-1.6) K7(1.6,-1.6) K8(2.4,-1.6) K9(3.2,-1.6) L1(-3.2,-2.4) L2(-2.4,-2.4) L3(-1.6,-2.4) L7(1.6,-2.4) L8(2.4,-2.4) M2(-2.4,-3.2) M3(-1.6,-3.2) M7(1.6,-3.2) M8(2.4,-3.2) M9(3.2,-3.2) N1(-3.2,-4) N2(-2.4,-4) N3(-1.6,-4) N7(1.6,-4) N8(2.4,-4) P2(-2.4,-4.8) P3(-1.6,-4.8) P7(1.6,-4.8) P8(2.4,-4.8) P9(3.2,-4.8) R1(-3.2,-5.6) R2(-2.4,-5.6) R3(-1.6,-5.6) R7(1.6,-5.6) R8(2.4,-5.6)
  round 1 smd paste-1 mask+0.5: FU1(-7,9) FU2(7,-9)
  silkscreen extent -6.52,-7 5.75,7, body extent -5.75,-7 5.75,7, height 0.9
DIP_Module_11PIN [mm]
  round 1.524 on Top Overlay: 0(1.27,-0.889)
  round 2 hole 1.2: 1(-2.032,-2.032) 2(-17.907,-5.207) 3(-17.907,-8.382) 4(-17.907,-17.907) 5(-17.907,-21.082) 6(-14.732,-21.082) 7(-11.557,-21.082) 8(-8.382,-21.082) 9(-5.207,-21.082) 10(-2.032,-21.082) 11(-2.032,-5.207)
  silkscreen extent -19.43,-22.61 -0.51,-0.51
DIP_Module_11PIN-A [mm]
  round 1.524 on Top Overlay: 0(1.27,-0.889)
  round 2 hole 1.2: 1(-2.032,-2.032) 2(-5.207,-2.032) 3(-14.732,-2.032) 4(-14.732,-5.207) 5(-14.732,-14.732) 6(-14.732,-21.082) 7(-11.557,-21.082) 8(-8.382,-21.082) 9(-5.207,-21.082) 10(-2.032,-21.082) 11(-2.032,-5.207)
  silkscreen extent -16.26,-22.61 -0.51,-0.51
DIP_Module_14PIN [mm]
  round 1.524 on Top Overlay: 0(1.27,-0.889)
  round 2 hole 1.2: 1(-2.032,-2.032) 2(-14.732,-2.032) 3(-14.732,-5.207) 4(-14.732,-11.557) 5(-14.732,-14.732) 6(-14.732,-17.907) 7(-14.732,-21.082) 8(-14.732,-27.432) 9(-14.732,-30.607) 10(-14.732,-33.782) 11(-11.557,-33.782) 12(-8.382,-33.782) 13(-5.207,-33.782) 14(-2.032,-33.782)
  silkscreen extent -16.26,-35.31 -0.51,-0.51
DIP_Module_22PIN [mm]
  round 1.524 on Top Overlay: 0(1.27,-0.889)
  round 2 hole 1.2: 1(-2.032,-2.032) 2(-4.572,-2.032) 3(-7.112,-2.032) 4(-9.652,-2.032) 5(-12.192,-2.032) 6(-22.352,-2.032) 7(-24.892,-2.032) 8(-24.892,-9.652) 9(-24.892,-12.192) 10(-24.892,-19.812) 11(-24.892,-22.352) 12(-24.892,-29.972) 13(-24.892,-32.512) 14(-19.812,-37.592) 15(-17.272,-37.592) 16(-14.732,-37.592) 17(-12.192,-37.592) 18(-9.652,-37.592) 19(-7.112,-37.592) 20(-4.572,-37.592) 21(-2.032,-37.592) 22(-2.032,-19.812)
  silkscreen extent -26.42,-39.12 -0.51,-0.51, body extent -26.54,-39.12 -0.51,-0.51, height 9.64
EEE1CA331UP [mm] "Electrolytic, Radial, Surface Mount capacitor"
  rect 1.5x4 smd: 1(0,3.4) 2(0,-3.4)
  silkscreen extent -4.57,-4.57 4.57,4.57, body extent -4.19,-4.19 4.28,4.29, height 10.5
FBGA_165-Ball [mm] "Fortified Ball Grid Array, 17.0 x 15.0mm, Pitch 1.0mm"
  round 0.45 smd: A1(-5,7) A2(-4,7) A3(-3,7) A4(-2,7) A5(-1,7) A6(0,7) A7(1,7) A8(2,7) A9(3,7) A10(4,7) A11(5,7) B1(-5,6) B2(-4,6) B3(-3,6) B4(-2,6) B5(-1,6) B6(0,6) B7(1,6) B8(2,6) B9(3,6) B10(4,6) B11(5,6) C1(-5,5) C2(-4,5) C3(-3,5) C4(-2,5) C5(-1,5) C6(0,5) C7(1,5) C8(2,5) C9(3,5) C10(4,5) C11(5,5) D1(-5,4) D2(-4,4) D3(-3,4) D4(-2,4) D5(-1,4) D6(0,4) D7(1,4) D8(2,4) D9(3,4) D10(4,4) D11(5,4) E1(-5,3) E2(-4,3) E3(-3,3) E4(-2,3) E5(-1,3) E6(0,3) E7(1,3) E8(2,3) E9(3,3) E10(4,3) E11(5,3) F1(-5,2) F2(-4,2) F3(-3,2) F4(-2,2) F5(-1,2) F6(0,2) F7(1,2) F8(2,2) F9(3,2) F10(4,2) F11(5,2) G1(-5,1) G2(-4,1) G3(-3,1) G4(-2,1) G5(-1,1) G6(0,1) G7(1,1) G8(2,1) G9(3,1) G10(4,1) G11(5,1) H1(-5,0) H2(-4,0) H3(-3,0) H4(-2,0) H5(-1,0) H6(0,0) H7(1,0) H8(2,0) H9(3,0) H10(4,0) H11(5,0) J1(-5,-1) J2(-4,-1) J3(-3,-1) J4(-2,-1) J5(-1,-1) J6(0,-1) J7(1,-1) J8(2,-1) J9(3,-1) J10(4,-1) J11(5,-1) K1(-5,-2) K2(-4,-2) K3(-3,-2) K4(-2,-2) K5(-1,-2) K6(0,-2) K7(1,-2) K8(2,-2) K9(3,-2) K10(4,-2) K11(5,-2) L1(-5,-3) L2(-4,-3) L3(-3,-3) L4(-2,-3) L5(-1,-3) L6(0,-3) L7(1,-3) L8(2,-3) L9(3,-3) L10(4,-3) L11(5,-3) M1(-5,-4) M2(-4,-4) M3(-3,-4) M4(-2,-4) M5(-1,-4) M6(0,-4) M7(1,-4) M8(2,-4) M9(3,-4) M10(4,-4) M11(5,-4) N1(-5,-5) N2(-4,-5) N3(-3,-5) N4(-2,-5) N5(-1,-5) N6(0,-5) N7(1,-5) N8(2,-5) N9(3,-5) N10(4,-5) N11(5,-5) P1(-5,-6) P2(-4,-6) P3(-3,-6) P4(-2,-6) P5(-1,-6) P6(0,-6) P7(1,-6) P8(2,-6) P9(3,-6) P10(4,-6) P11(5,-6) R1(-5,-7) R2(-4,-7) R3(-3,-7) R4(-2,-7) R5(-1,-7) R6(0,-7) R7(1,-7) R8(2,-7) R9(3,-7) R10(4,-7) R11(5,-7)
  round 1 smd paste-1 mask+0.5: FU1(-8.5,10) FU2(8.5,-10)
  silkscreen extent -8.27,-8.52 7.5,8.5, body extent -7.5,-8.5 7.5,8.5, height 1.4